# Altium PCB L-ink.PcbDoc
Units mil, origin at the board's own origin, x right, y up, seen from the top; angles counter-clockwise.
Board outline 1838 x 1345 mil, 2 copper layers (Top1, Bottom2), stack 42.204 mil thick; 42 components, 39 nets, 169 pads, 64 vias.
Unrouted connection lines stored in the file: 78.
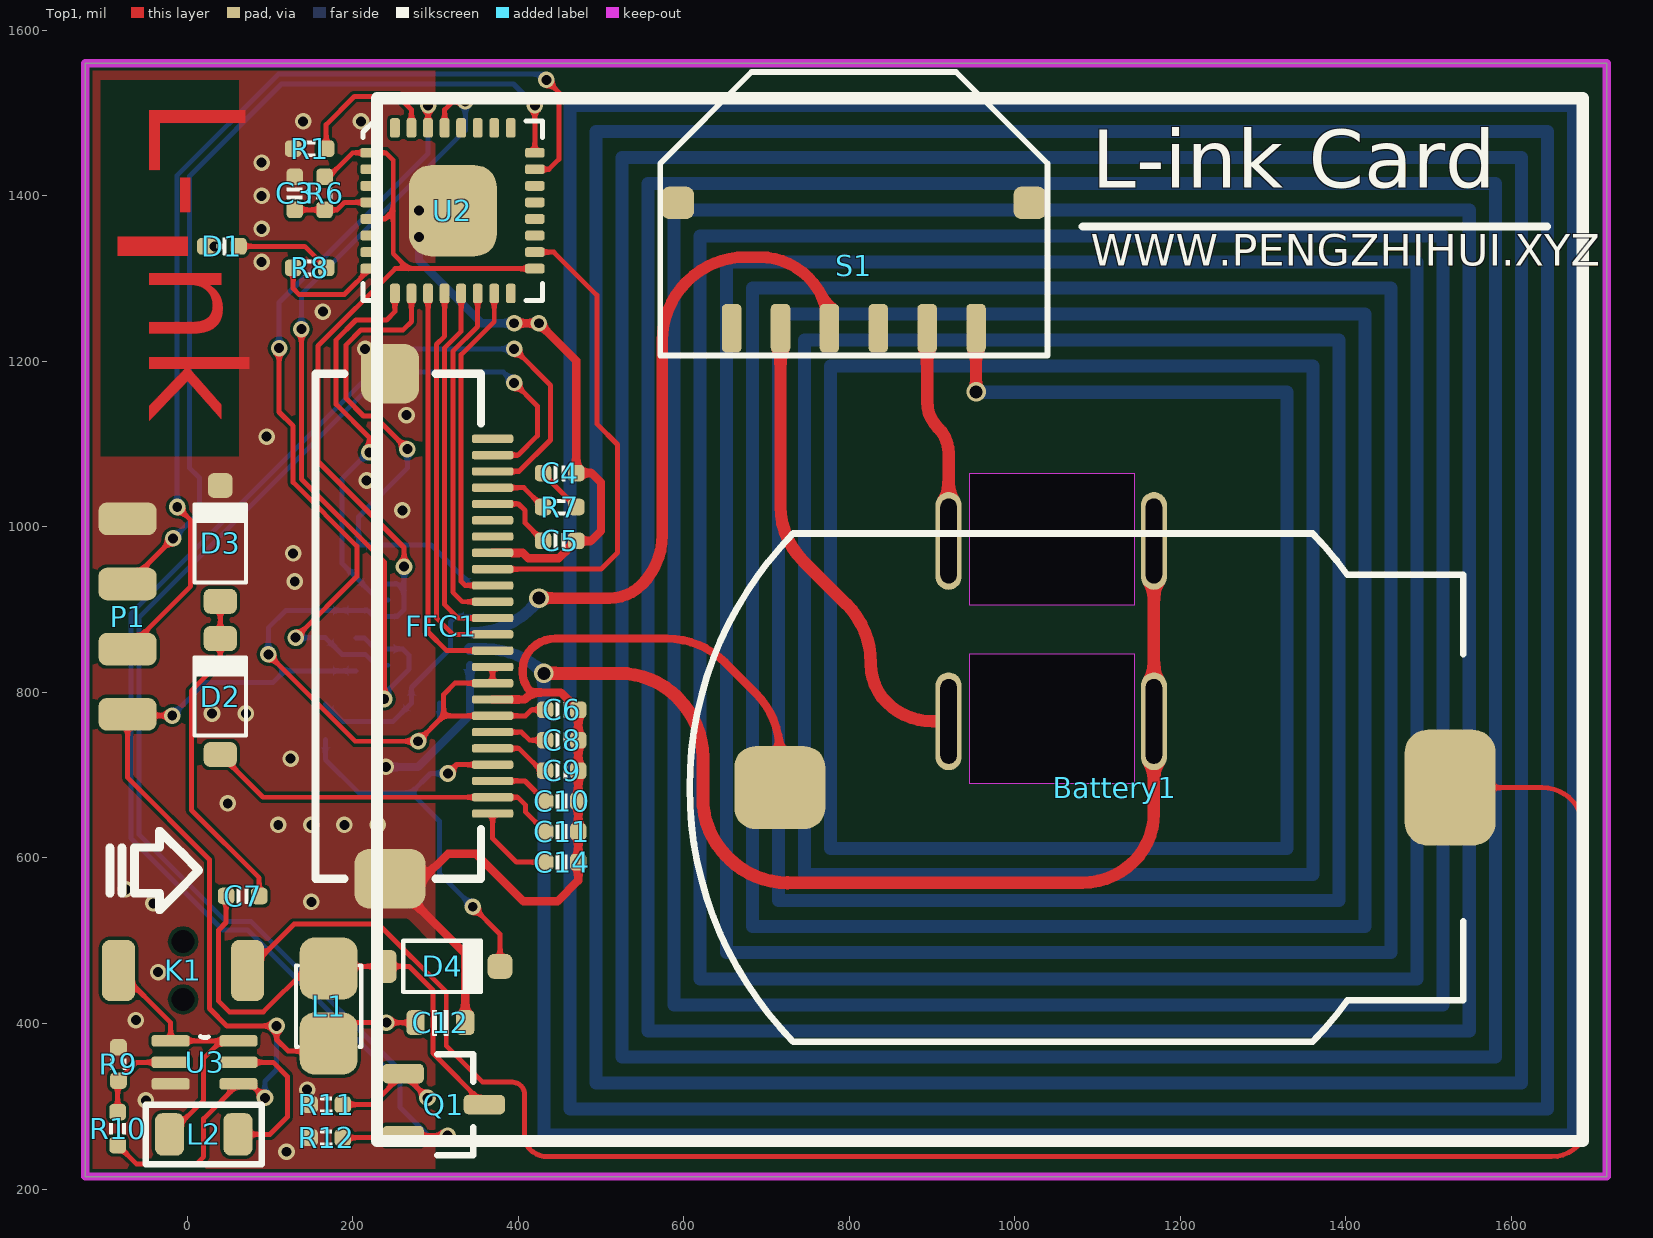
[diagram p0: Top1 view]
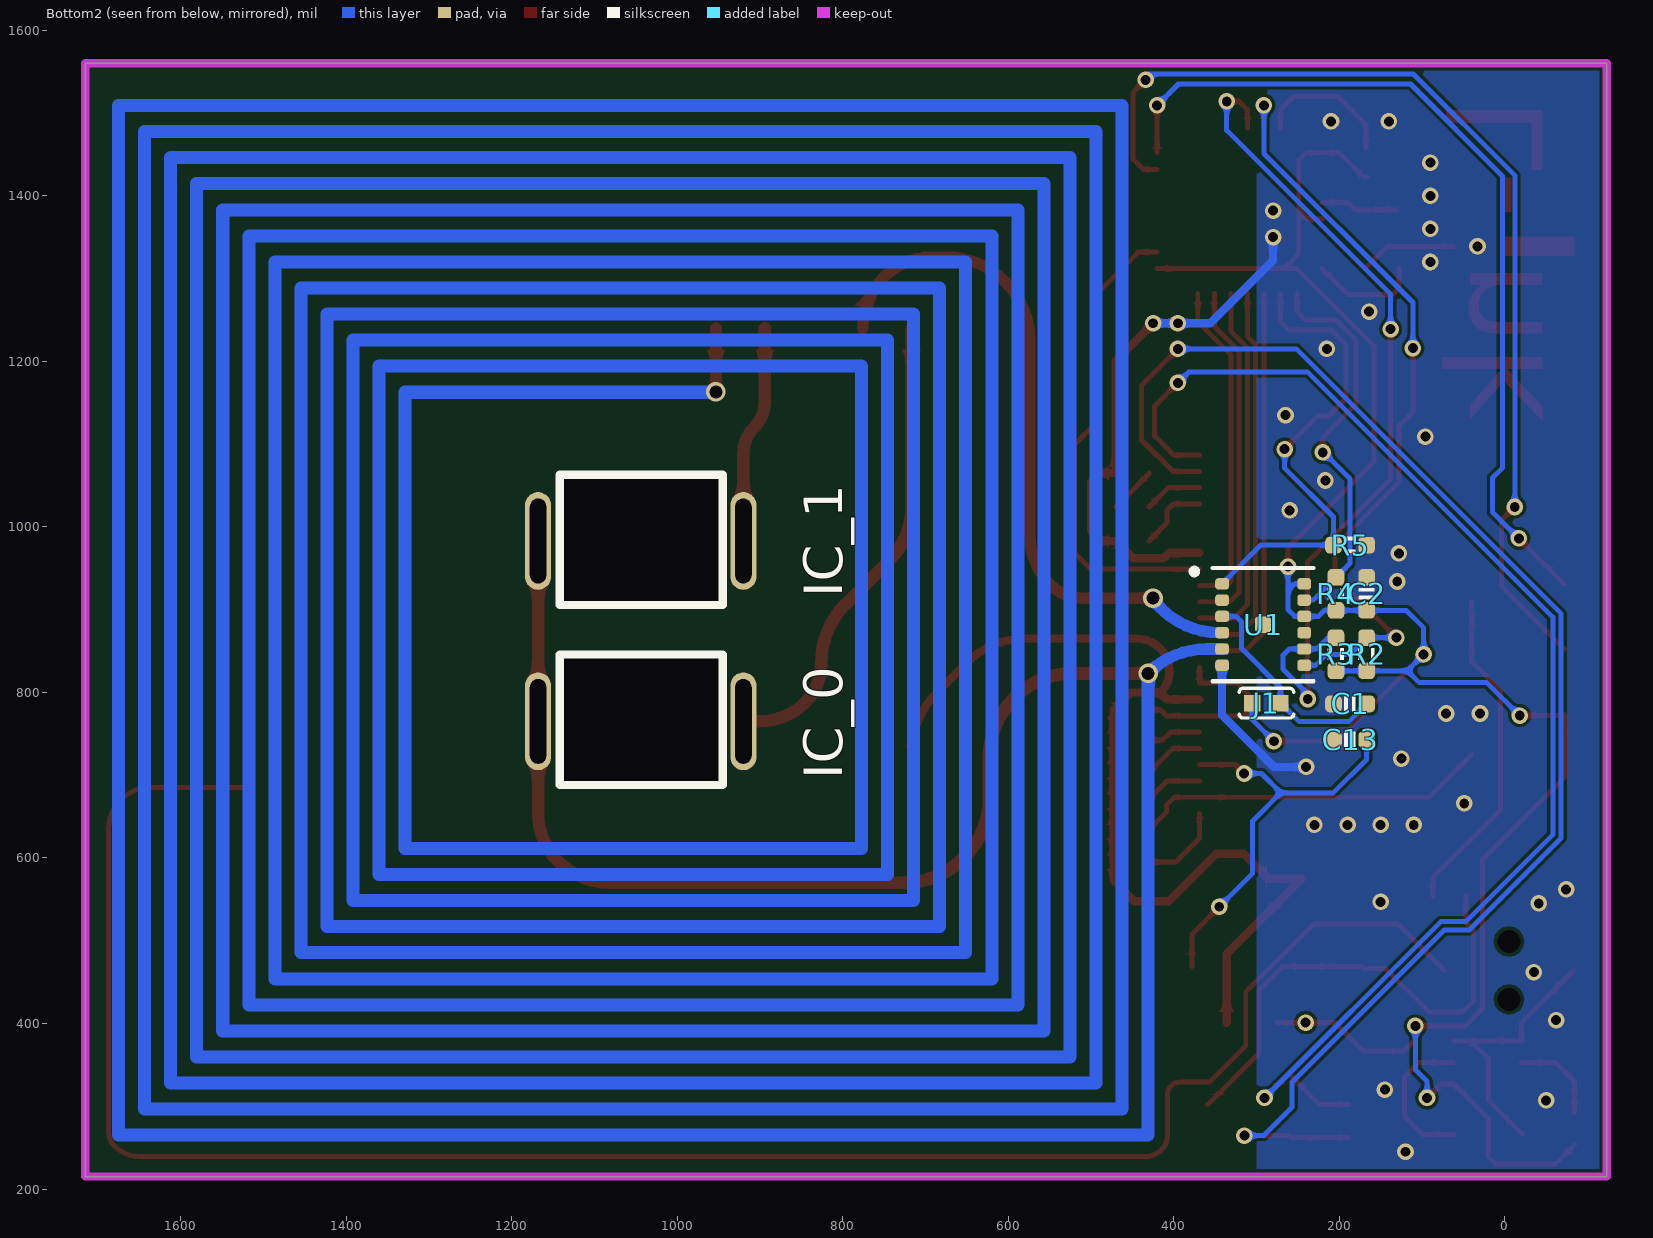
[diagram p1: Bottom2 view, seen from below]
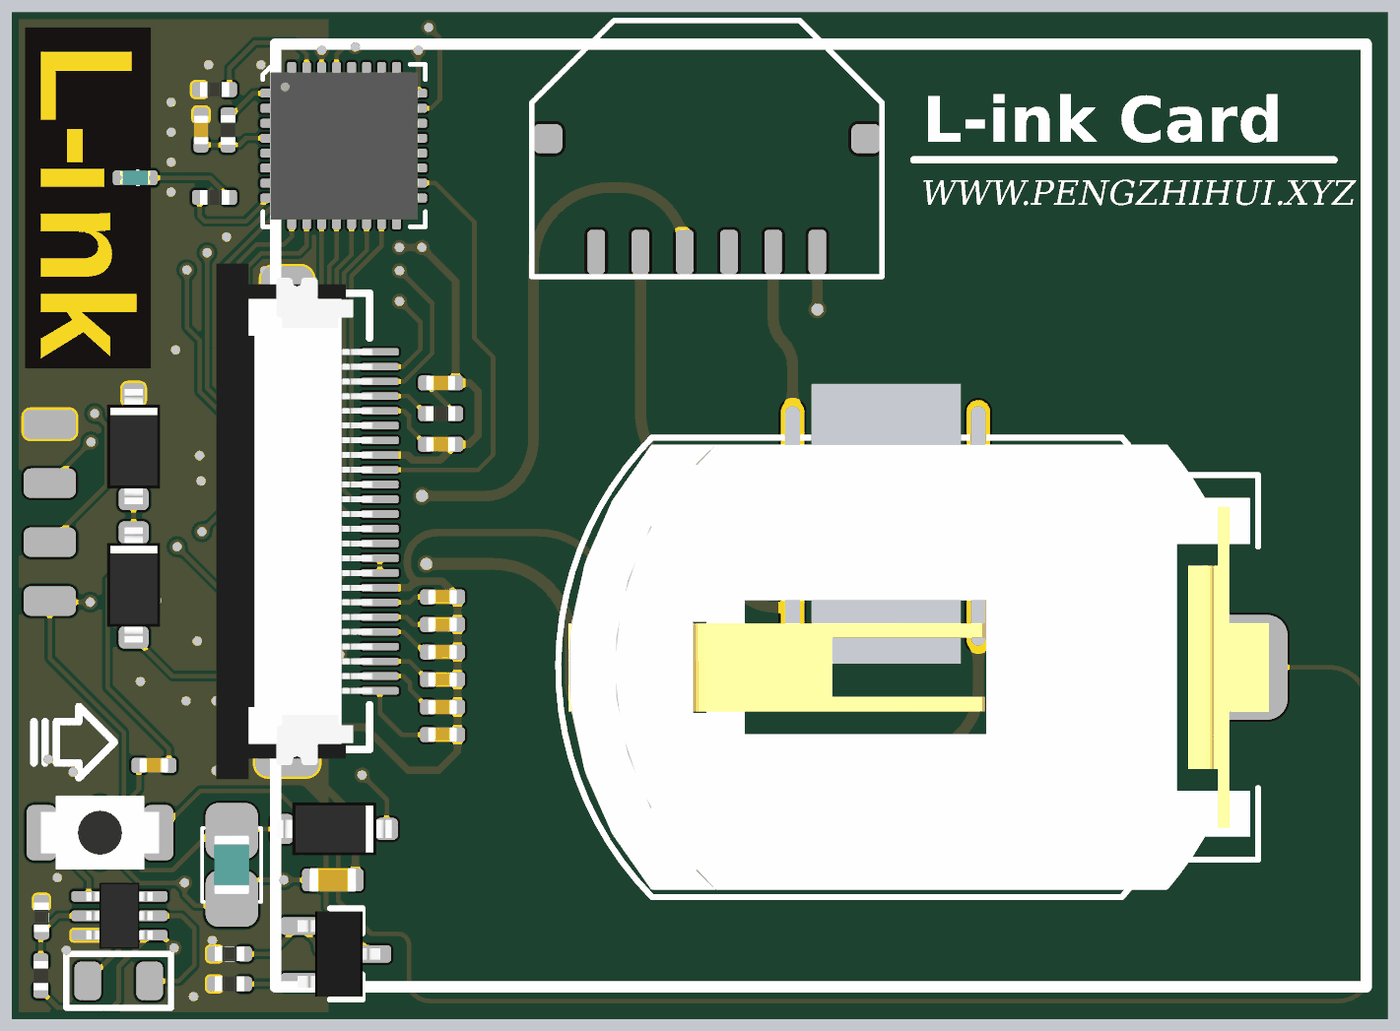
[diagram p2: 3D render of the assembled board from above, using the file's embedded part models]
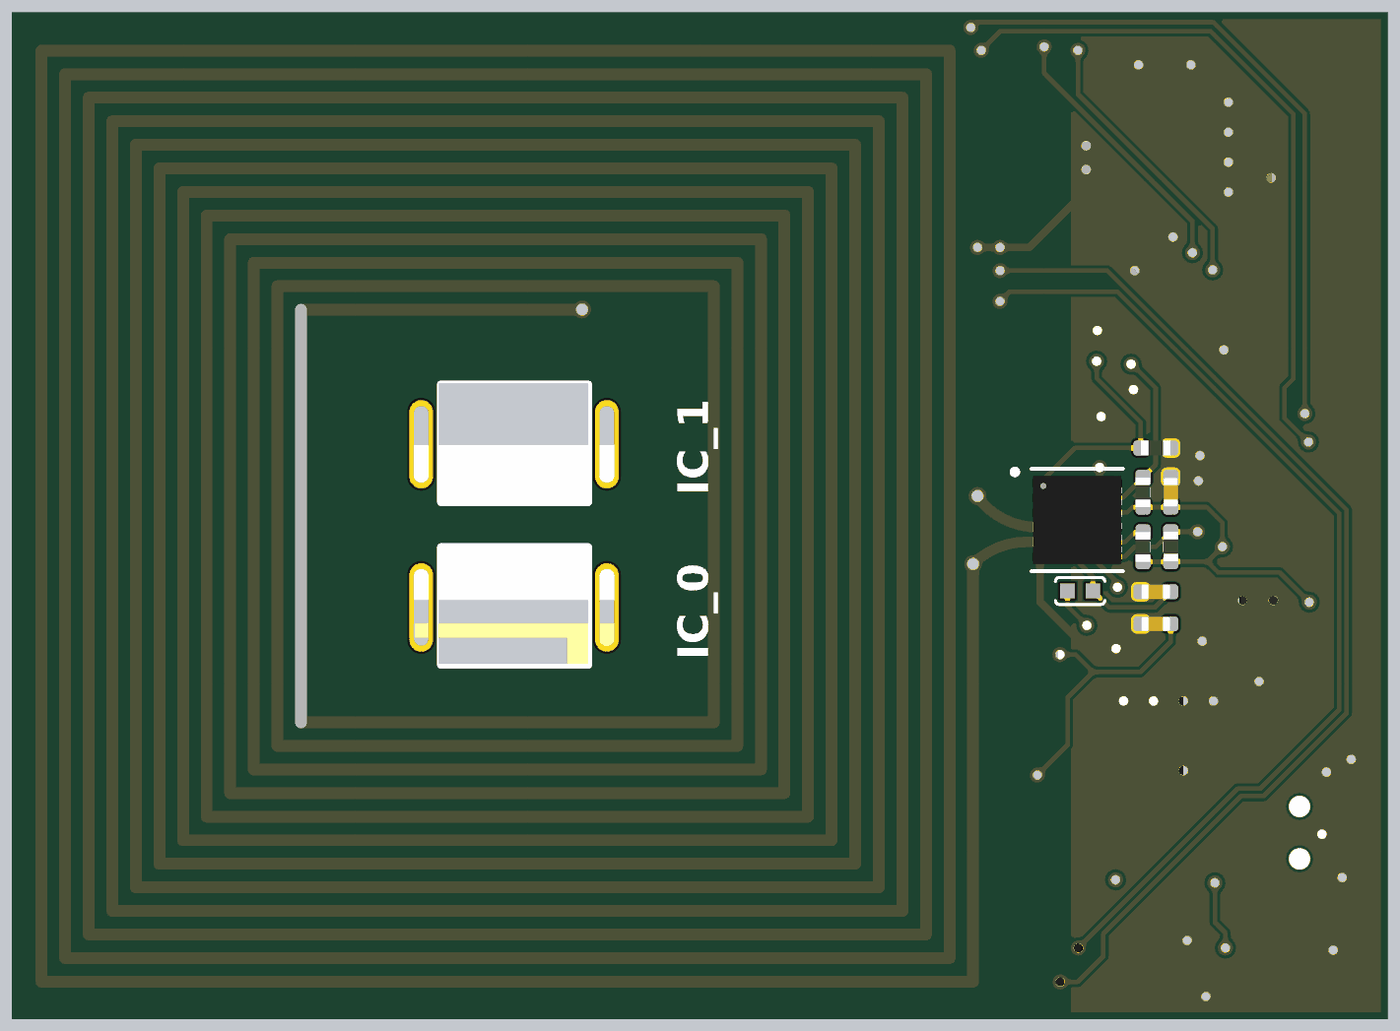
[diagram p3: 3D render of the assembled board from below, using the file's embedded part models]

## Layer stack, top to bottom
Top Solder: solder mask 0.3941, Solder Resist, Dk 3.5
Top1: signal copper 1.4169
Dielectric1: core 39.3701, PP-006, Dk 4.2
Bottom2: signal copper 1.4169
Bottom Solder: solder mask 0.3941, Solder Resist, Dk 3.5

## Board outline
-123,215 -123,1560 1715,1560 1715,215
cut-out: 945,905.92 1145,905.92 1145,1064 945,1064
cut-out: 945,690 1145,690 1145,846 945,846

## Design rules (kind name [scope] priority, off if disabled: settings)
Clearance Clearance_1 [InNet('NetB1_2') vs InNet('GND')] p1: gap=10 ignorepadtopadclearanceinfootprint=FALSE
Clearance [All] p2: gap=4 ignorepadtopadclearanceinfootprint=FALSE except(0: Arc-Hole Track-Hole SMDPad-Hole THPad-Hole Via-Hole Fill-Hole Poly-Hole Region-Hole Text-Hole)
ComponentClearance [All] p1: gap=0 collisioncheckmode=3 verticalgap=0 showdistances=FALSE
DiffPairsRouting [All] p1: maxlimit=9 minlimit=9 mostfreqgap=9 toplayer_minwidth=15 toplayer_maxwidth=15 toplayer_prefwidth=15 bottomlayer_minwidth=15 bottomlayer_maxwidth=15 bottomlayer_prefwidth=15 maxuncoupledlength=500
FanoutControl Fanout_BGA [All] p1: bgadir=Out bgaviamode=Centered fanoutstyle=Auto fanoutdirection=Alternating viagrid=1 // Fanout_BGA (Default Rule)
HoleSize [All] p1: absolutevalues=TRUE maxlimit=10000 minlimit=8 maxpercent=80.000 minpercent=20.000
MinimumSolderMaskSliver [All] p1 off: minsoldermaskwidth=2
PlaneClearance [All] p1: clearance=8
PlaneConnect [All] p1: planeconnectstyle=Direct reliefexpansion=20 reliefentries=4 reliefconductorwidth=10 reliefairgap=10
PolygonConnect [All] p1: connectstyle=Direct reliefconductorwidth=10 reliefentries=4 polygonreliefangle="90 Angle" airgapwidth=10
RoutingVias [All] p1: holewidth=8 width=16 viastyle="Through Hole" minholewidth=6 minwidth=12 maxholewidth=28 maxwidth=50
SilkToSilkClearance [All] p1: silktosilkclearance=0
SilkToSolderMaskClearance [IsPad] p1: minsilkscreentomaskgap=0 clearancetoexposedcopper=TRUE
SolderMaskExpansion [All] p1: expansion=3
Width GND [(InNet('AGND') OR InNet('GND'))] p1: maxlimit=50 minlimit=4 preferedwidth=10
Width VCC [(InNet('VDD_SYS_3.3V') OR InNet('VDD_AV_3.3V') OR InNet('VDD_5V') OR InNet('VDD1V2-SYS') OR InNet('VDD1V1-EPHY') OR InNet('VDD-CPUX') OR InNet('VDD-CPUS') OR InNet('VDD-CPUFB') OR InNet('VCC-DRAM'))] p2: maxlimit=50 minlimit=4 preferedwidth=10
Width [All] p3: maxlimit=10000 minlimit=4 preferedwidth=4
21 further rules are at their usual default settings.

## Components (designator, comment, footprint, x,y, rotation, side; value= is the part's Value field where it differs from the comment)
Battery1 "Battery" CR2032-1 1046,685 r0 top
C1 "10uF" CAP_0402 187,786 r0 bottom value=0.1u
C2 "10nF" CAP_0402 167,919 r90 bottom value=0.1u
C3 "0.1uF" CAP_0402 130,1403 r90 top value=0.1u
C4 "1uF" CAP_0402 450,1065 r180 top value=0.1u
C5 "1uF" CAP_0402 450,983 r180 top value=0.1u
C6 "0.1uF" CAP_0402 452.5,779 r180 top value=0.1u
C7 "0.1uF" CAP_0402 67,554 r180 top value=0.1u
C8 "1uF" CAP_0402 452.5,742.2 r180 top value=0.1u
C9 "1uF" CAP_0402 452.5,705.4 r180 top value=0.1u
C10 "1uF" CAP_0402 452.5,668.6 r180 top value=0.1u
C11 "1uF" CAP_0402 452.5,631.8 r180 top value=0.1u
C12 "4.7uF" 0603-CAP 306,401 r0 top value=0.1u
C13 "1uF" CAP_0402 187,743 r0 bottom value=0.1u
C14 "1uF" CAP_0402 452.5,595 r180 top value=0.1u
D1 "color?" LED_0402_BLUE 42,1339 r180 top
D2 "二极管-5819W" SOD-123#1 40,795 r90 top
D3 "二极管-5819W" SOD-123#2 40,980 r90 top
D4 "二极管-5819W" SOD-123#2 308,469 r0 top
FFC1 "FFC_0.5_24" FFC_0.5_24_INK 305,880 r270 top locked
J1 "跳线" 0402-0R 288,787 r0 bottom
K1 "TACT 2P" ButtonTACT_3x4x2_180H -5,464 r180 top value=3x4
L1 "68uH" 2520-L 171,421 r90 top
L2 "4.7uH" 0805-L 20,266 r180 top
P1 "HDR1x4_2.0" "HDR 4_2" -72,1009.74 r0 top
Q1 "MOSFET-N" SOT23-3 310,302 r0 top
R1 "10K" RES_0402 148,1457 r180 top value=22R
R2 "1K5" RES_0402 167,846.12 r90 bottom value=22R
R3 "1K5" RES_0402 204,846 r90 bottom value=22R
R4 "20K" RES_0402 204,919 r90 bottom value=22R
R5 "1K" RES_0402 187,978 r180 bottom value=22R
R6 "10K" RES_0402 166,1403 r90 top value=22R
R7 "1K" RES_0402 450,1024 r0 top value=22R
R8 "3K" RES_0402 148,1313 r180 top value=22R
R9 "NC" RES_0402 -83,351 r90 top value=22R
R10 "0R" RES_0402 -84,273 r90 top value=22R
R11 "10K" RES_0402 168,302 r0 top value=22R
R12 "3R" RES_0402 168,262 r0 top value=22R
S1 "WHEEL_SWITCH" WHEEL_SWITCH 805.47,1240 r0 top
U1 "ST25DV16K-JFR6D3" PSON50P-302X302X60-13N 292,882 r180 bottom
U2 "STM32L051K8" QFN-32 321,1382 r0 top
U3 "TPS61221DCKT" SOT65P210X110-6N 21,353 r0 top

## Footprints (in the part's own frame and the unit in brackets; to place one, negate y for a bottom-side part, rotate by r counter-clockwise, add the part's x,y. Pads: shape width x height; smd on the part's side, far side on the other; paste and mask are expansions set on the pad)
0402-0R [mm] "选择焊盘"
  rect 0.5x0.5 smd: 1(-0.432,0) 2(0.432,0)
  silkscreen extent -0.84,-0.46 0.84,0.46
0603-CAP [mil]
  rrect50% 22x30 smd: 1(-30,0) 2(30,0)
  silkscreen extent -10,-15 10,15, body extent -31,-16 32,16, height 31
0805-L [mm]
  rrect50% 0.9x1.3 smd: 1(-1.05,0) 2(1.05,0)
  silkscreen extent -1.78,-0.91 1.78,0.91, body extent -1,-0.6 1,0.6, height 0.76
2520-L [mil]
  rrect50% 75x70 smd: 1(-45.28,0) 2(45.28,0)
  silkscreen extent -49,-39 49,39, body extent -39,-24 39,24, height 36
ButtonTACT_3x4x2_180H [mil]
  round 0 hole 28: 0(0,35) 0(0,-35)
  rrect50% 40x74 smd: 1(-78,0) 2(78,0)
  body extent -79,-49 79,49, height 63
CAP_0402 [mil]
  rrect50% 20x20 smd: 1(-20,0) 2(20,0)
  silkscreen extent -6,-9 6,9, body extent -20,-10 20,10, height 20
CR2032-1 [mil]
  rrect50% 110x100 smd: 1(-330,0)
  rrect50% 110x140 smd: 2(480,0)
  silkscreen extent -439,-307 496,307, body extent -425,-297 510,297, height 191
FFC_0.5_24_INK [mm]
  rrect50% 1.829x1.778 smd: 0(-7.747,-1.524)
  rrect50% 1.829x2.184 smd: 0(7.747,-1.524)
  rrect50% 0.254x1.27 smd: 1(-5.75,1.625) 2(-5.25,1.625) 3(-4.75,1.625) 4(-4.25,1.625) 5(-3.75,1.625) 6(-3.25,1.625) 7(-2.75,1.625) 8(-2.25,1.625) 9(-1.75,1.625) 10(-1.25,1.625) 11(-0.75,1.625) 12(-0.25,1.625) 13(0.25,1.625) 14(0.75,1.625) 15(1.25,1.625) 16(1.75,1.625) 17(2.25,1.625) 18(2.75,1.625) 19(3.25,1.625) 20(3.75,1.625) 21(4.25,1.625) 22(4.75,1.625) 23(5.25,1.625) 24(5.75,1.625)
  silkscreen extent -7.75,-3.81 7.75,1.27, body extent -8.75,-3.93 8.75,1.41, height 2.08
"HDR 4_2" [mm]
  rrect50% 1.778x1 smd: 1(0,0) 2(0,-2) 3(0,-4) 4(0,-6)
LED_0402_BLUE [mil]
  rrect50% 20x20 smd: 1(-20,0) 2(20,0)
  silkscreen extent -6,-10 6,10, body extent -20,-10 20,10, height 18
PSON50P-302X302X60-13N [mm]
  rrect50% 0.42x0.35 smd mask+0: 1(-1.26,1.25) 2(-1.26,0.75) 3(-1.26,0.25) 4(-1.26,-0.25) 5(-1.26,-0.75) 6(-1.26,-1.25) 7(1.26,-1.25) 8(1.26,-0.75) 9(1.26,-0.25) 10(1.26,0.25) 11(1.26,0.75) 12(1.26,1.25)
  rrect50% 0.508x0.508 smd paste-2: 13(0,0)
  silkscreen extent -2.19,-1.74 1.55,1.74, body extent -1.5,-1.51 1.51,1.51, height 0.8
QFN-32 [mm]
  rrect50% 0.6x0.3 smd: 1(-2.54,1.778) 2(-2.54,1.27) 3(-2.54,0.762) 4(-2.54,0.254) 5(-2.54,-0.254) 6(-2.54,-0.762) 7(-2.54,-1.27) 8(-2.54,-1.778) 17(2.515,-1.778) 18(2.515,-1.27) 19(2.515,-0.762) 20(2.515,-0.254) 21(2.515,0.254) 22(2.515,0.762) 23(2.515,1.27) 24(2.515,1.778)
  rrect50% 0.3x0.6 smd: 9(-1.778,-2.54) 10(-1.27,-2.54) 11(-0.762,-2.54) 12(-0.254,-2.54) 13(0.254,-2.54) 14(0.762,-2.54) 15(1.27,-2.54) 16(1.778,-2.54) 25(1.778,2.54) 26(1.27,2.54) 27(0.762,2.54) 28(0.254,2.54) 29(-0.254,2.54) 30(-0.762,2.54) 31(-1.27,2.54) 32(-1.778,2.54)
  rrect50% 2.7x2.8 smd: 33(0,0)
  silkscreen extent -2.76,-2.76 2.76,2.76, body extent -2.51,-2.51 2.51,2.51, height 0.85
RES_0402 [mil]
  rrect50% 20x20 smd: 1(-20,0) 2(20,0)
  silkscreen extent -7,-10 7,10, body extent -20,-10 20,10, height 14
SOD-123#1 [mil]
  rrect50% 30x40 smd: 1(-70,0) 2(70,0)
  silkscreen extent -47,-31 47,31, body extent -77,-35 77,35, height 46
SOD-123#2 [mil]
  rrect50% 30x40 smd: 1(-70,0)
  rrect50% 30x30 smd: 2(70,0)
  silkscreen extent -47,-31 47,31, body extent -77,-35 77,35, height 46
SOT23-3 [mm] "SOT23, 3-Leads, Body 3.1x3.0mm (max), Pitch 0.95mm, IPC Medium Density"
  rrect50% 1.27x0.6 smd: 1(-1.246,0.95) 2(-1.246,-0.95) 3(1.246,0)
  silkscreen extent -0.2,-1.55 0.9,1.55, body extent -1.3,-1.45 1.5,1.45, height 1.2
SOT65P210X110-6N [mil]
  rrect50% 46x14 smd: 1(-41,26) 2(-41,0) 3(-41,-26) 4(41,-26) 5(41,0) 6(41,26)
  silkscreen extent -5,30 5,31, body extent -44,-44 44,44, height 43
WHEEL_SWITCH [mm]
  rrect50% 1x1 smd paste+0 mask+0.102: a(5.401,3.846) ""(-5.401,3.846)
  rrect50% 0.6x1.5 smd paste+0 mask+0.102: b(3.75,0) c(2.25,0) d(0.75,0) e(-0.75,0) f(-2.25,0) g(-3.75,0)
  silkscreen extent -5.94,-0.84 5.94,7.86, body extent -7.27,-0.84 7.27,10.86, height 3

## Part data
C1 C2 C3 C4 C5 C6 C7 C8 C9 C10 C11 C13 C14: library part 电容-0402, "Capacitor"
C12: library part 电容-0603, "Capacitor"
D1: library part LED_0402, "LED", Type=0402
D2 D3 D4: "40V"
FFC1: library part FFC_0.5_24_INK, "FFC"
J1: "Resistor", LatestRevisionDate=17-Jul-2002, LatestRevisionNote="Re-released for DXP Platform.", PackageDescription="Axial Device, Thru-Hole; 2 Leads; 0.4 in Pin Spacing", PackageReference=AXIAL-0.4, Published=8-Jun-2000, Publisher="Altium Limited"
K1: library part ButtonTACT_3x4x2_180, "Button", Type="TACT 2P"
L1: library part 电感-2520, "磁珠"
L2: library part 电感-0805, "磁珠"
Q1: "N-Channel MOSFET", LatestRevisionDate=17-Jul-2002, LatestRevisionNote="Re-released for DXP Platform.", PackageDescription="TO, Flat Index; 3 In-Line, Axial Leads; Body Dia. 4.6mm; Lead Dia. 0.5 mm (max)", PackageReference=E3, PackageVersion=1995/1996, Published=8-Jun-2000, Publisher="Altium Limited"
R1 R2 R3 R4 R5 R6 R7 R8 R9 R10 R11 R12: library part 电阻-0402, "Resistor"
S1: "LDO"
U1: "RFID Transponder IC 13.56MHz ISO 15693 I?2C 1.8V ~ 5.5V 12-UFDFN Exposed Pad", Package="D2PAK STMicroelectronics", Availability=Unavailable, MF=STMicroelectronics, MP=ST25DV16K-JFR6D3, Price=None, SnapEDA_Link=https://www.snapeda.com/parts/ST25DV16K-JFR6D3/STMicroelectronics/view-part/901342/?ref=snap
U3: "Boost Switching Regulator IC Positive Fixed 3.3V 1 Output 200mA _Switch_ 6-TSSOP, SC-88, SOT-363", Package="SOT-363 Texas Instruments", Availability=Unavailable, MF="Texas Instruments", MP=TPS61221DCK, Price=None, SnapEDA_Link=https://www.snapeda.com/parts/TPS61221DCK/Texas%20Instruments/view-part/2767825/?ref=snap

## Free pads (board coordinates)
  oval 31.5x118.11 hole 102.36 slot 19.68 at 0 deg: 2(920,765) 2(920,983) 3(1168,765) 3(1168,983)

## Via types
v1: diameter 20, hole 12, Top1 to Bottom2, tented both sides, 61 vias
v2: diameter 23.62, hole 15.75, Top1 to Bottom2, tented both sides, 3 vias

## Nets (pads, with @x,y where several pads share a name; then routed paths per layer and width w, separated by ;. In a path a pad name is that pad's centre, name@x,y a point inside that pad or via, vN(x,y) a via of type N, cw(c..) or ccw(c..) an arc to the next point about the centre after c; other vN are vias at no path point)
3V3: C2.1 C6.2 C12.1 FFC1.15 FFC1.16 FFC1.18 J1.2 L1.1 P1.4 R2.1 R3.1 R4.1 R6.2 R10.1 U1.10 U1.12 U2.1 U2.5 U2.17 U3.4 | length 3096.5
  Top1 w6: R10.1 -61,230 11,230 20,239 20,285 U3.4 77,327 v1(94,310) ; P1.4 -72,697 27,598 27,418 48,397 v1(108,397) 108,380.72 122,366.72 171,366.72 205.28,401 v1(240.64,401) C12.1 ; P1.4@-70.48,772 v1(-18,772) ; v1(98,846) 203,741 v1(279,741) 309.73,771.73 ; R6.2 171,1423 200,1452 U2.1 240,1452 249,1443 249,1382 ; U2.5 239,1372 249,1382 ; v1(262,952) 262,975 158,1079 158,1218.79 251.21,1312 267,1312 ; FFC1.15 FFC1.16 323.48,811.1 309.73,797.35 309.73,771.73 ; U2.17 267,1312 ; C6.2 416,779 408.73,771.73 FFC1.18 309.73,771.73 ; 249,1382 249,1330 267,1312
  Bottom2 w6: v1(-18,772) 21.82,811.82 103.58,811.82 117.88,826.12 ; v1(94,310) 94,330 108,344 v1(108,397) ; R2.1 117.88,826.12 ; R2.1@167.12,826 R3.1 ; U1.12 253.79,931.21 262,923 ; v1(262,952) 262,923 ; v1(279,741) 305,767 J1.2 ; 117.88,826.12 v1(98,846) 98,878 119,899 C2.1 R4.1 218,899 225.16,891.84 U1.10 253.84,891.84 262,900 262,923
ANT: pad.2 pad.3 S1.a S1.b S1.c S1.d S1.e S1.f S1.g U1.4 U1.5 | length 45365.4
  Top1 w14: v2(425.06,913.92) 510.18,913.92 ccw(c510.18,968.82) 549,930 ; 556.71,937.71 549.04,930.04 ; S1.e ccw(c688.9,1240) 750.45,1301.55 ccw(c691.42,1242.52) 691.42,1326 674.92,1326 ccw(c674.92,1226) 604.21,1296.71 603.29,1295.79 ccw(c674,1225.08) 574,1225.08 574,990.36 cw(c488.64,990.36) 549.04,930.04 ; v2(953.11,1163.11) S1.b ; 549,930 ccw(c488.64,990.36) 549.04,930.04 ; 549,930 549.04,930.04
  Top1 w15: S1.f 716.89,1024.53 ccw(c809.65,1024.53) 744.06,958.94 796.71,906.29 cw(c726,835.58) 826,835.58 826,833.87 ccw(c890.87,833.87) 845,788 ccw(c900.53,843.53) 900.53,765 pad.2@920,765 ; 725.4,570 1081.23,570 ccw(c1081.23,658.77) 1144,596 ccw(c1086.06,653.94) 1168,653.94 1168,765 pad.3@1168,983 ; S1.c 894.06,1151.25 ccw(c938.25,1151.25) 907,1120 cw(c875.62,1088.62) 920,1088.62 pad.2@920,983
  Top1 w15.75: v2(430.91,823.07) 521.51,823.07 cw(c521.51,723.07) 592.22,793.78 593.71,792.29 cw(c523,721.58) 623,721.58 623,672.4 ccw(c723,672.4) 652.29,601.69 654.69,599.29 ccw(c725.4,670) 725.4,570
  Bottom2 w14: U1.5 360.08,852.47 cw(c360.08,752.47) 430.79,823.18 v2(430.91,823.07) ; U1.4@344.74,872.16 ccw(c344.74,972.16) v2@425.69,913.46 ; v2@423.03,909.03 ccw(c418.14,913.92) v2(425.06,913.92)
  Bottom2 w15.75: v2(430.91,823.07) 430.91,265 1675,265 1675,1509.09 462.4,1509.09 462.4,296.5 1643.5,296.5 1643.5,1477.6 493.9,1477.6 493.9,327.99 1612.01,327.99 1612.01,1446.1 525.39,1446.1 525.39,359.49 1580.51,359.49 1580.51,1414.61 556.89,1414.61 556.89,390.98 1549.02,390.98 1549.02,1383.11 588.39,1383.11 588.39,422.48 1517.52,422.48 1517.52,1351.61 619.88,1351.61 619.88,453.98 1486.02,453.98 1486.02,1320.12 651.38,1320.12 651.38,485.47 1454.53,485.47 1454.53,1288.62 682.87,1288.62 682.87,516.97 1423.03,516.97 1423.03,1257.13 714.37,1257.13 714.37,548.46 1391.54,548.46 1391.54,1225.63 745.87,1225.63 745.87,579.96 1360.04,579.96 1360.04,1194.13 777.36,1194.13 777.36,611.46 1328.54,611.46 1328.54,1162.64 v2@953.58,1162.64
GDR: FFC1.2 Q1.1 R11.2 | length 1593.2
  Top1 w6: R11.2 223.54,302 Q1.1 v1(290.35,310) ; FFC1.2 399.69,1086.69 423,1110 423,1146 v1(395,1174)
  Bottom2 w6: v1(290.35,310) 77.35,523 47.14,523 -58,628.14 -58,890.86 238.14,1187 382,1187 v1(395,1174)
GND: Battery1.1 C1.2 C2.2 C3.2 C4.1 C5.1 C6.1 C8.1 C9.1 C10.1 C11.1 C12.2 C13.2 C14.1 D1.2 D3.2 FFC1.0 FFC1.8 FFC1.17 P1.1 R1.2 R5.2 R9.2 R11.1 R12.1 U1.6 U2.33 U3.3 | length 2148.6
  Top1 w10: C12.2 336,484 245,575 285,575 315,605 348.98,605 406.44,547.54 447.54,547.54 472.5,572.5 C14.1 C11.1 C10.1 C9.1 C8.1 C6.1 451.5,800 416.32,800 ; FFC1.17 407.74,791.42 416.32,800 ; FFC1.8 405.49,968.58 411.98,962.09 449.09,962.09 C5.1 488,983 500,995 500,1053.75 488.75,1065 C4.1 470,1201 v1(425,1246) v1(395,1246) ; Battery1.1 716,728.6 ccw(c616,728.6) 686.71,799.31 650.31,835.71 ccw(c579.6,765) 579.6,865 444.94,865 ccw(c444.94,824.07) 416,853.01 ccw(c441.38,827.63) 405.49,827.63 405.49,823.07 ccw(c435.02,823.07) 414.14,802.19 416.32,800
  Bottom2 w10: v1(240,710) 279,710 341.61,772.61 U1.6 ; v1(280,1350) 280,1322 356,1246 v1(395,1246) v1(425,1246)
  other v1: 120,245 -50,307 145,320 -62,404 -35,462 -41,545 150,547 -74,562 110,640 150,640 190,640 230,640 49,666 125,720 30,774.51 71,774.51 130,934 128,968 260,1020 216.76,1056 96.04,1109.04 265,1135 215,1215 164,1260 90,1320 33,1339 90,1360 280,1382 90,1400 90,1440 140,1490 210,1490
I2C1_SCL: R3.2 U1.8 U2.29 | length 1034.7
  Top1 w6: v1(138,1239) 138,1057.89 238.14,957.75 v1(238.14,792) ; U2.29 311,1504 321,1514 v1(336,1514)
  Bottom2 w6: v1(138,1239) 138,1281 336,1479 v1(336,1514) ; R3.2 214,866 227.53,852.47 U1.8 260.53,852.47 268,845 268,828 238.14,798.14 v1(238.14,792)
I2C1_SDA: R2.2 U1.7 U2.30 | length 939.7
  Top1 w6: v1(111,1216) 111,1138.86 128,1121.86 128,1053.75 205,976.75 205,940 v1(131.12,866.12) ; U2.30 v1(291,1509.35)
  Bottom2 w6: v1(111,1216) 111,1271 291,1451 v1(291,1509.35) ; v1(131.12,866.12) R2.2 187.12,846 215.16,846 228.37,832.79 U1.7
INK_BUSY: FFC1.9 U2.18 | length 577.3
  Top1 w6: FFC1.9 500.02,948.9 520,968.88 520,1099.46 495,1124.46 495,1280 443,1332 U2.18
INK_CLK: FFC1.13 U2.12 | length 472.3
  Top1 w6: U2.12 311,1230.43 301,1220.43 301,890 320.84,870.16 FFC1.13
INK_CS: FFC1.12 U2.13 | length 449
  Top1 w6: U2.13 331,1236.28 311,1216.28 311,905.92 327.08,889.84 FFC1.12
INK_DC: FFC1.11 U2.14 | length 426.2
  Top1 w6: U2.14 351,1242.14 321,1212.14 321,921 332.47,909.53 FFC1.11
INK_MOSI: FFC1.14 U2.11 | length 496.3
  Top1 w6: U2.11 291,873 313.53,850.47 FFC1.14
INK_RST: FFC1.10 U2.15 | length 404.5
  Top1 w6: FFC1.10 335.79,929.21 331,934 331,1208 371,1248 U2.15
LED: R8.2 U2.8 | length 133.7
  Top1 w6: R8.2 128,1288 135,1281 190,1281 U2.8
NetBattery1_2: Battery1.2 K1.1 | length 2397.8
  Top1 w6: K1.1 129,520 231.14,520 313,438.14 313,373 357,329 393,329 cw(c393,314.51) 403.24,324.76 cw(c392.38,313.89) 407.74,313.89 407.74,263.11 ccw(c429.11,263.11) 414,248 ccw(c435.73,269.73) 435.73,239 444,239 1648.62,239 ccw(c1648.62,283.38) 1680,252 ccw(c1663.1,268.9) 1687,268.9 1687,635 ccw(c1637,635) 1637,685 Battery1.2
NetC4_2: C4.2 R7.2 | length 57.6
  Top1 w6: C4.2 430,1064 R7.2
NetC7_1: C7.1 D2.2 D3.1 | length 404.5
  Top1 w6: D3.1 D2.2 40,837 5,802 5,658 87,576 C7.1
NetD1_1: D1.1 R8.1 | length 116.8
  Top1 w6: D1.1 142,1339 R8.1
NetL2_1: L2.1 U3.5 | length 183.4
  Top1 w6: L2.1 100,266 121,287 121,336 104,353 U3.5
NetR1_1: R1.1 U2.31 | length 174.7
  Top1 w6: R1.1 168,1486 202,1520 255,1520 271,1504 U2.31
NetR9_1: R9.1 R10.2 U3.2 | length 109.1
  Top1 w6: R10.2 R9.1@-84,330 ; R9.1 -61,353 U3.2
NRST: C3.1 R6.1 U2.4 | length 94.7
  Top1 w6: C3.1 R6.1 181,1383 190,1392 U2.4
PREVGH: C13.1 D4.2 FFC1.21 | length 510.9
  Top1 w6: v1(315,702) 325.68,712.68 FFC1.21 ; v1(345,541) 378,508 D4.2
  Bottom2 w6: C13.1 167,719 207.32,678.68 270.68,678.68 ; v1(315,702) 294,702 270.68,678.68 ; v1(345,541) 304.68,581.32 304.68,644.68 270.68,678.68
PREVGL: C11.2 D2.1 FFC1.23 | length 436
  Top1 w6: D2.1 91.69,673.31 FFC1.23 399.43,673.31 409,663.73 409,655.3 C11.2
RESE: FFC1.3 Q1.2 R12.2 | length 1753.7
  Top1 w6: R12.2 Q1.2@258.35,262 ; Q1.2 v1(314.6,264.6) ; FFC1.3 401.01,1067.01 439,1105 439,1171 v1(395,1215)
  Bottom2 w6: v1(314.6,264.6) 291.4,264.6 257,299 257,329.2 73.2,513 43,513 -68,624 -68,895 252,1215 v1(395,1215)
ST25_GPO: R4.2 U1.11 U2.9 | length 485.9
  Top1 w6: v1(220,1090) 220,1108 180,1148 180,1226 204,1250 241,1250 251,1260 U2.9
  Bottom2 w6: v1(220,1090) v1@220,1091 ; v1@222,1093 v1@220,1091 ; U1.11 231.47,911.53 R4.2 187.12,955.88 187.12,1058.12 v1@220,1091
ST25_LPD: R5.1 U1.1 U2.10 | length 583.3
  Top1 w6: v1(266,1094) 226,1134 213,1134 192,1155 192,1220 210,1238 261,1238 271,1248 U2.10
  Bottom2 w6: v1(266,1094) 266,1071 207,1012 R5.1 294.82,978 U1.1
SW: C7.2 D4.1 L1.2 Q1.3 | length 593.6
  Top1 w6: C7.2 47,522 38,513 38,427 51,414 92,414 144.28,466.28 L1.2 173.72,469 D4.1 268,469 297,440 297,364.06 Q1.3
SWCLK: P1.2 U2.24 | length 1065
  Top1 w6: P1.2 v1(-17,986) ; U2.24 v1(420,1509.35)
  Bottom2 w6: v1(-17,986) 15,1018 15,1059 3,1071 3,1424 114,1535 394.35,1535 v1(420,1509.35)
SWDIO: P1.3 U2.23 | length 1246.4
  Top1 w6: P1.3 4.14,928.4 4.14,1007.84 v1(-12.02,1024) ; U2.23 437,1432 449,1444 449,1525 v1(434,1540)
  Bottom2 w6: v1(-12.02,1024) -12.02,1424.63 110.35,1547 427,1547 v1(434,1540)
TSCL: FFC1.6
TSDA: FFC1.7
V_EH: C1.1 J1.1 U1.3 | length 265.7
  Bottom2 w6: C1.1 188,765 249,765 J1.1 271,806 318,853 318,885 324.84,891.84 U1.3
VBAT: K1.2 L2.2 U3.1 U3.6 | length 331.9
  Top1 w6: K1.2 -20,401 U3.1 U3.6@41,379 ; L2.2 20,307.34 20,358 U3.6@41,379 ; U3.6 U3.6@41,379
VCOM: C14.2 FFC1.24 | length 105.3
  Top1 w6: FFC1.24 368.98,623.71 397.69,595 C14.2
VGH: C5.2 FFC1.5 | length 88.3
  Top1 w6: FFC1.5 400.36,1027.64 408.11,1019.89 408.11,1004.89 C5.2
VGL: FFC1.4 R7.1 | length 70.7
  Top1 w6: FFC1.4 406.68,1047.32 R7.1
VPP: C8.2 FFC1.19 | length 67.6
  Top1 w6: FFC1.19 403.95,752.05 413.8,742.2 C8.2
VSH: C9.2 FFC1.20 | length 69.8
  Top1 w6: FFC1.20 400.64,732.36 C9.2@427.6,705.4
VSL: C10.2 FFC1.22 | length 73.6
  Top1 w6: FFC1.22 408.11,692.99 C10.2
pads on no net: FFC1.1 K1.0 S1. U1.2 U1.9 U1.13 U2.2 U2.3 U2.6 U2.7 U2.16 U2.19 U2.20 U2.21 U2.22 U2.25 U2.26 U2.27 U2.28 U2.32

## Polygon pours and split planes (outlines as drawn)
GND on Bottom2 "Bottom2-GND" (solid, remove dead copper, pour order 2): 300,1600 -309,1600 -309,50 300,50
GND on Top1 "Top1-GND" (solid, remove dead copper, pour order 0): 300,1600 -309,1600 -309,50 300,50

## Keep-outs
Keep-Out Layer:
  the board outline again, w10

## Other copper
Top1:
  rectangle: -84,1327 1.16,1351
  pour cut-out: -105,1540 63.06,1540 63.06,1085 62.7,1084.64 -105,1084.64
  text "L- nk" at -84,1519.07 h200 r270

## Silkscreen, mask and mechanical layers (free items; w line width, h text height)
Top Overlay:
  drawing of 294 lines, arcs and shapes, not listed
  text "L-ink Card" at 1093,1387 h120
  text "WWW.PENGZHIHUI.XYZ" at 1092,1303 h65
Bottom Overlay:
  lines w10: 944.88,688.25 944.88,845.73 1141.73,845.73 1141.73,688.25 944.88,688.25 ; 944.88,905.51 1141.73,905.51 1141.73,1062.99 944.88,1062.99 944.88,905.51
  text "IC_1" at 785,915 h80 r270
  text "IC_0" at 785,695 h80 r270
Top Solder:
  rectangle: -105,1084.64 62.7,1540
  pour cut-out: 96,526
Mechanical 1:
  the board outline again, w10
  text "中间两个槽需要挖空！" at -181,1737 h300
Drill Drawing:
  circle w10: c-110.28,2614.33 r33.33
  lines w10: -143.61,2731 -76.94,2731 -76.94,2797.67 -143.61,2797.67 -143.61,2731 ; -143.61,2947.67 -76.94,2947.67 -110.28,2881 -143.61,2947.67 ; -143.61,3097.67 -76.94,3097.67 -110.28,3031 -143.61,3097.67 ; -130.28,2934.33 -90.28,2934.33 -110.28,2894.33 -130.28,2934.33
  lines w15: -203.4,2536 12974.9,2536 ; -203.4,3136 12974.9,3136 ; 347.48,2386 347.48,3286 ; 887.34,2386 887.34,3286 ; 2037,2386 2037,3286 ; 2542.88,2386 2542.88,3286 ; 3276.68,2386 3276.68,3286 ; 4466.33,2386 4466.33,3286 ; 5056.18,2386 5056.18,3286 ; 5801.98,2386 5801.98,3286 ; 6961.64,2386 6961.64,3286 ; 7815.4,2386 7815.4,3286 ; 9149.01,2386 9149.01,3286 ; 10482.62,2386 10482.62,3286 ; 11572.3,2386 11572.3,3286 ; -203.4,2386 12974.9,2386 12974.9,3286 -203.4,3286 -203.4,2386
  text "Symbol" at -113.4,3181 h72
  text "Count" at 392.48,3181 h72
  text "Hole Size" at 932.34,3181 h72
  text "Plated" at 2082,3181 h72
  text "Hole Type" at 2587.88,3181 h72
  text "Drill Layer Pair" at 3321.68,3181 h72
  text "Via/Pad" at 4511.33,3181 h72
  text "Pad Shape" at 5101.18,3181 h72
  text "Template" at 5846.98,3181 h72
  text "Description" at 7006.64,3181 h72
  text "Hole Tolerance (+)" at 7860.4,3181 h72
  text "Hole Tolerance (-)" at 9194.01,3181 h72
  text "Hole Length" at 10527.62,3181 h72
  text "Routed Path Length" at 11617.3,3181 h72
  text "2" at 392.48,3031 h60
  text "28.00mil (0.711mm)" at 932.34,3031 h60
  text "PTH" at 2082,3031 h60
  text "Round" at 2587.88,3031 h60
  text "Top1 - Bottom2" at 3321.68,3031 h60
  text "Pad" at 4511.33,3031 h60
  text "Rounded" at 5101.18,3031 h60
  text "c0h71" at 5846.98,3031 h60
  text "-" at 10527.62,3031 h60
  text "-" at 11617.3,3031 h60
  text "3" at 392.48,2881 h60
  text "15.75mil (0.400mm)" at 932.34,2881 h60
  text "PTH" at 2082,2881 h60
  text "Round" at 2587.88,2881 h60
  text "Top1 - Bottom2" at 3321.68,2881 h60
  text "Via" at 4511.33,2881 h60
  text "Rounded" at 5101.18,2881 h60
  text "v60h40m0mx0" at 5846.98,2881 h60
  text "-" at 10527.62,2881 h60
  text "-" at 11617.3,2881 h60
  text "4" at 392.48,2731 h60
  text "102.36mil (2.600mm)" at 932.34,2731 h60
  text "PTH" at 2082,2731 h60
  text "Slot" at 2587.88,2731 h60
  text "Top1 - Bottom2" at 3321.68,2731 h60
  text "Pad" at 4511.33,2731 h60
  text "Rounded" at 5101.18,2731 h60
  text "r80_300h260_50r100" at 5846.98,2731 h60
  text "19.69mil (0.500mm)" at 10527.62,2731 h60
  text "-82.68mil (-2.100mm)" at 11617.3,2731 h60
  text "61" at 392.48,2581 h60
  text "12.00mil (0.305mm)" at 932.34,2581 h60
  text "PTH" at 2082,2581 h60
  text "Round" at 2587.88,2581 h60
  text "Top1 - Bottom2" at 3321.68,2581 h60
  text "Via" at 4511.33,2581 h60
  text "Rounded" at 5101.18,2581 h60
  text "v51h30m0mx0" at 5846.98,2581 h60
  text "-" at 10527.62,2581 h60
  text "-" at 11617.3,2581 h60
  text "70 Total" at 392.48,2431 h60
  text "Slot definitions :" at -113.4,2286.03 h60
  text "Routed Path Length" at 919.29,2286.03 h60
  text "= Calculated from tool start centre position to tool end centre position." at 2021.96,2286.03 h60
  text "Hole Length" at 919.29,2186.05 h60
  text "= Routed Path Length + Tool Size = Slot length as defined in the PCB layout" at 1612.09,2186.05 h60